# Altium PCB AMDC_uAMDC_Overlay.PcbDoc (part 5 of 6) (continued)
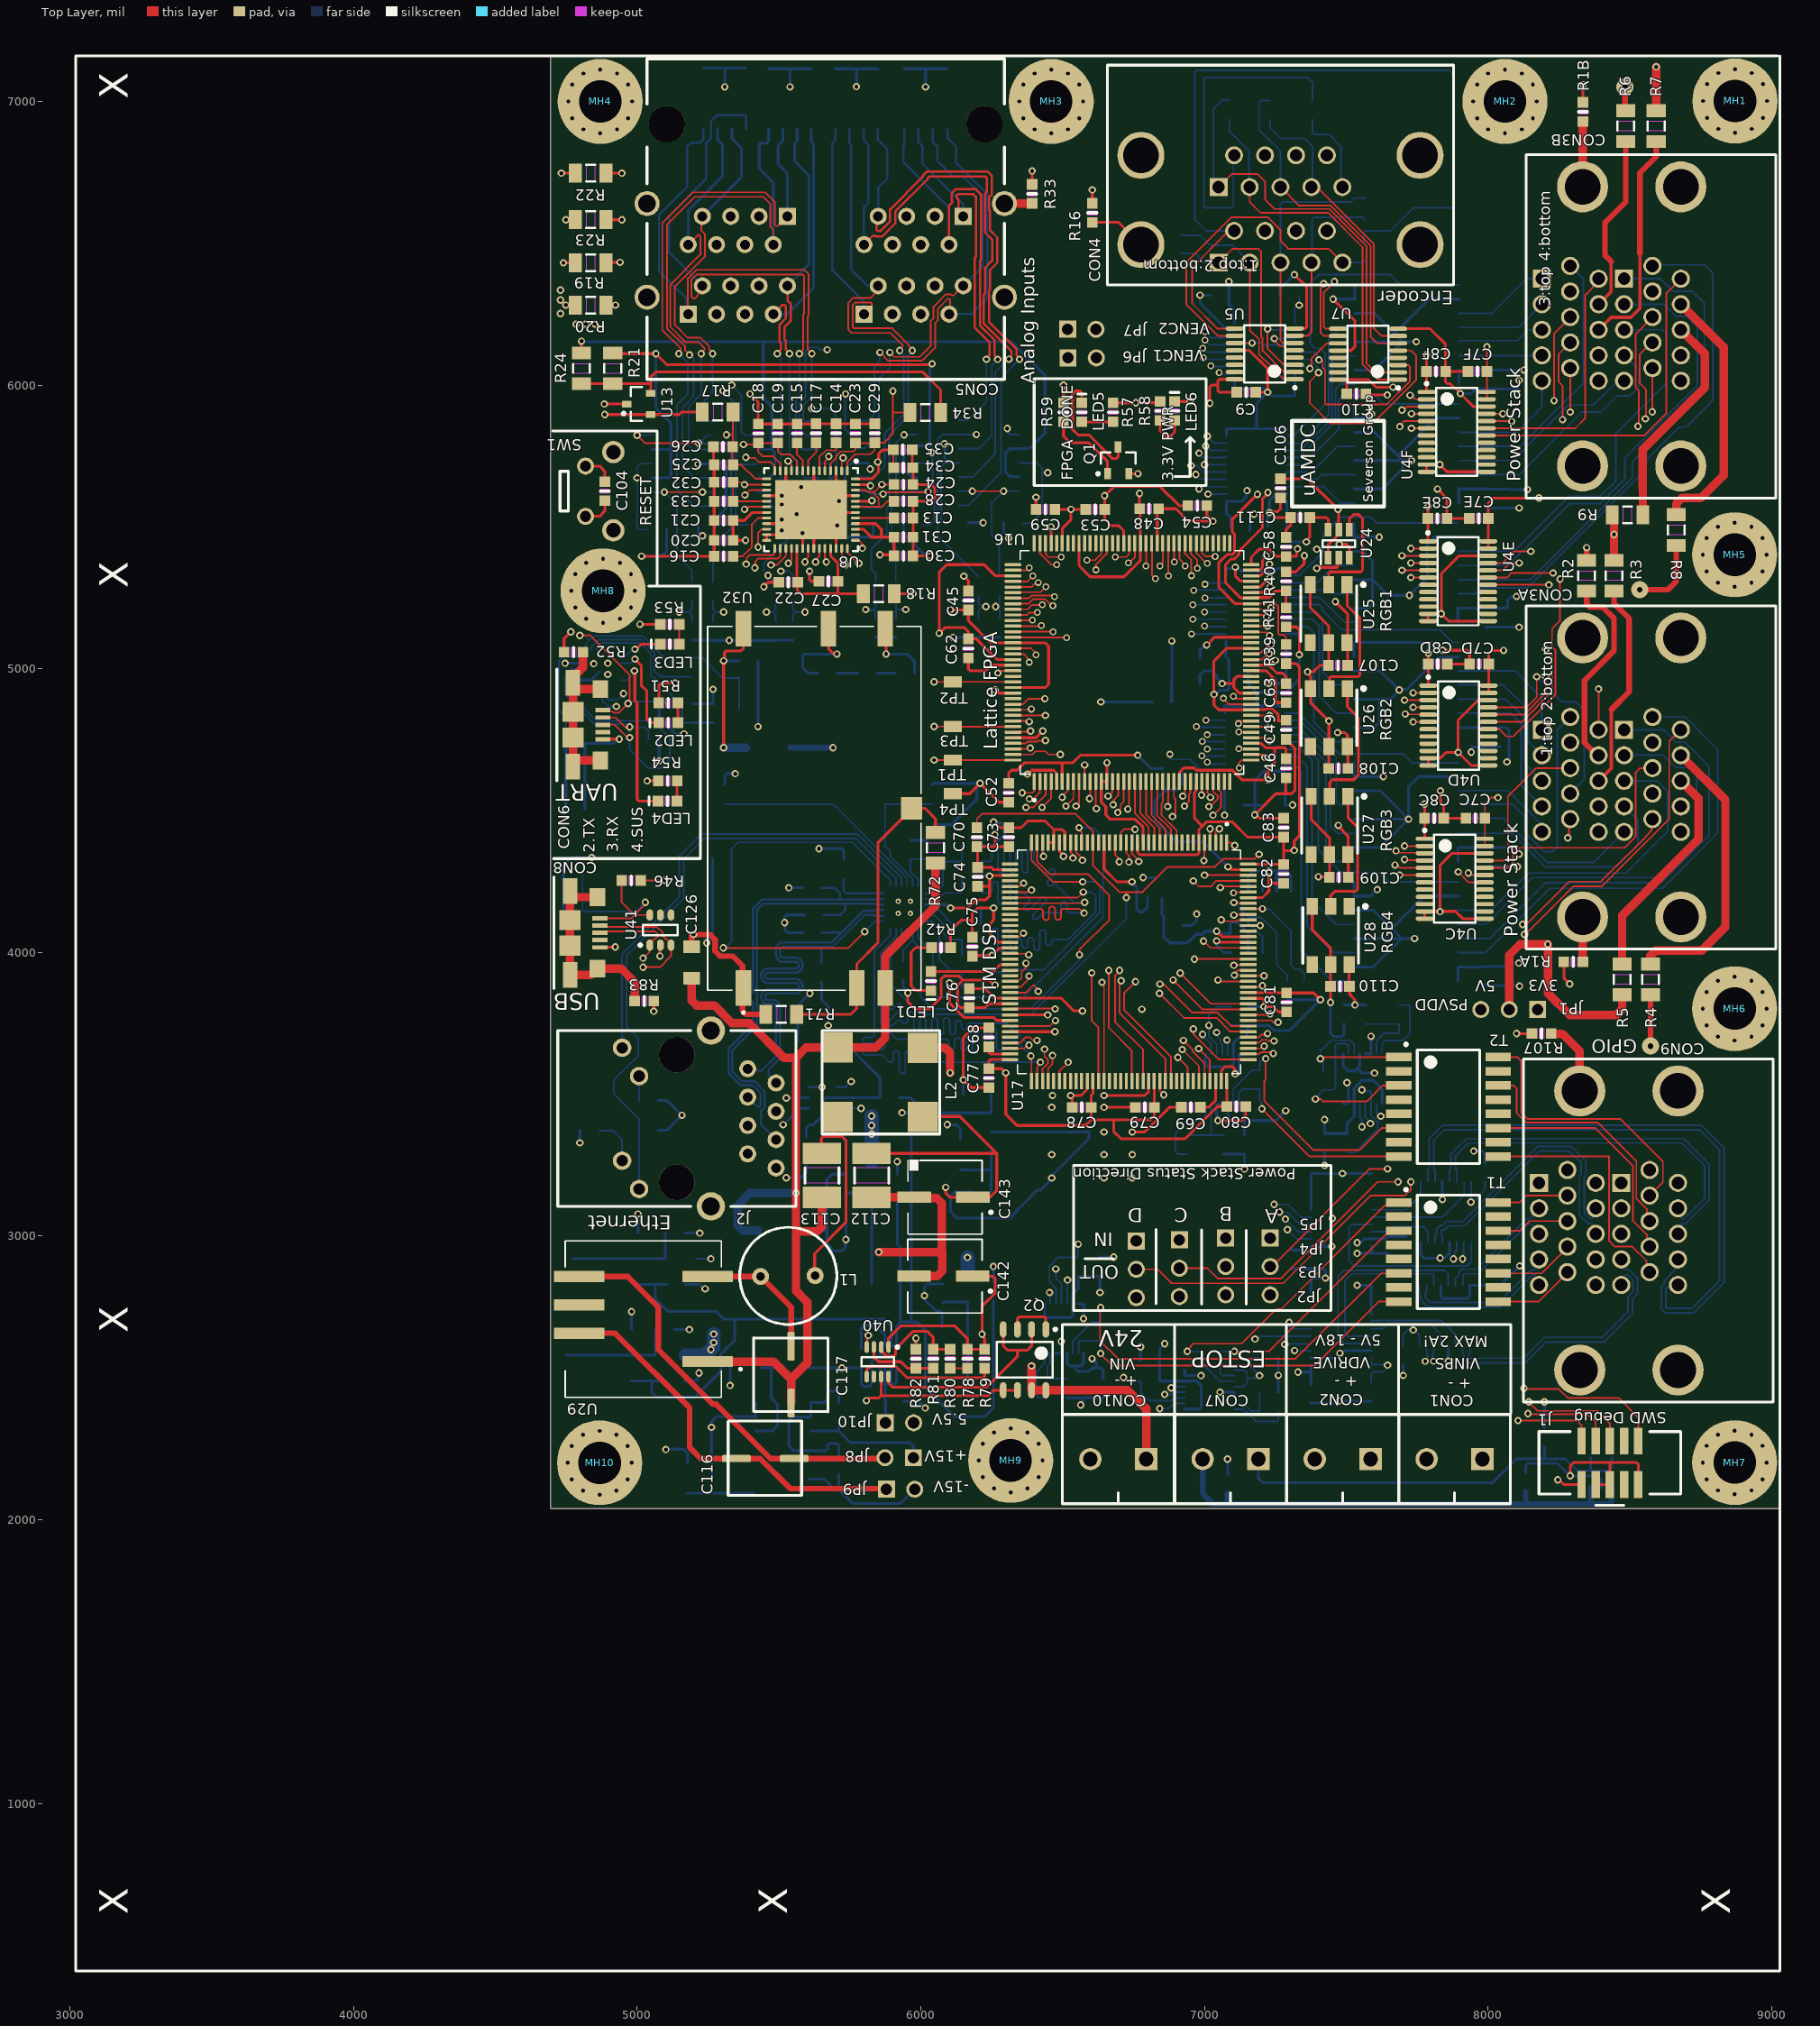
[diagram p0: Top Layer view]
## Nets (pads, with @x,y where several pads share a name; then routed paths per layer and width w, separated by ;. In a path a pad name is that pad's centre, name@x,y a point inside that pad or via, vN(x,y) a via of type N, cw(c..) or ccw(c..) an arc to the next point about the centre after c; other vN are vias at no path point) (continued)
NetC101_2: C101.2 C102.2 C103.2 U21.6 | length 606.9
  Bottom Layer w6: C101.2@4748.79,4737.22 4748.79,4829.22 4724.23,4853.79 4724.23,5028.43 4737.11,5041.31 4789.06,5041.31 U21.6@4791.37,5039
  Bottom Layer w10: C103.2@4748.66,4505 C102.2@4748.66,4627 ; C102.2@4748.79,4627.13 C101.2@4748.79,4737.22
NetC112_2: C112.2 C143.1 L2.1 Q2.5 Q2.6 U40.7 | length 2718.4
  Top Layer w10: v2(5808.28,2420.03) 5817.53,2429.27 5852.25,2429.27 5860.82,2437.83 ; C112.2@5827,3291.48 6268.06,3291.48 ; U40.7@5860.8,2504.83 5860.82,2437.83 ; L2.1@6007,3419.91 6009.09,3422 6137.54,3422 6268.06,3291.48 ; v2(6088,3171.75) 6088,3151.66 6102.66,3137 C143.1@6184,3137 6244.63,3137 6268.06,3160.43 6268.06,3291.48 ; Q2.6@6341,2456.72 Q2.5@6291,2456.72 6256.79,2456.72 6237.91,2437.83 5860.82,2437.83
  Int2 (Sign) w10: v2(5808.28,2420.03) 5804.97,2420.03 5777,2448 5777,2932.62 5851.46,3007.08 6029.08,3007.08 6088,3066 v2(6088,3171.75)
NetC113_2: C113.2 L1.1 L2.4 | length 748.2
  Top Layer w10: L1.1@5628,2861 5626,2863 5626,2938 5736,3048 5736,3338 5723,3351 5689.43,3351 ; C113.2@5652,3291.48 5650,3293.48 5650,3345.14 5655.86,3351 5689.43,3351 ; L2.4@5707.79,3419.91 5689.43,3401.55 5689.43,3351
NetC116_1: C116.1 JP8.2 U29.5 | length 1433.1
  Top Layer w20: U29.5@4795.62,2858 4967,2858 5075,2750 5075,2600.48 5267.24,2408.24 5278.53,2408.24 5470.77,2216 C116.1@5554,2216 5871,2216 JP8.2@5874,2219
NetC116_2: C116.2 JP9.1 U29.7 | length 1393.2
  Top Layer w20: U29.7@4795.62,2658 4922,2658 5185,2395 5185,2255 5224,2216 C116.2@5350,2216 5434,2216 5540,2110 5877,2110 JP9.1@5879,2108
NetC125_1: C125.1 R66.2 U31.1 U31.2 | length 253.2
  Bottom Layer w10: R66.2@6140,3235.87 6142.87,3233 U31.1@6248,3233 ; C125.1@6248,3156 U31.1@6248,3233 ; U31.2@6248,3300 U31.1@6248,3233
NetC129_1: C129.1 R67.2 U33.2 U33.4 | length 417
  Bottom Layer w10: U33.4@4772.84,2920 U33.2@5003.16,2920 R67.2@5099.33,2920 C129.1@5099.33,3010.55
NetC130_2: C130.2 C137.1 U34.6 U34.7 U38.5 | length 623.8
  Bottom Layer w10: C137.1@5711,2227.46 5711,2262.55 5705.14,2268.41 5676.7,2268.41 5670.84,2262.55 5670.84,2249.86 5664.99,2244 U38.5@5606.24,2244 5551,2244 5534.13,2260.87 5534.13,2347.25 5549.87,2363 U34.7@5612.24,2363 U34.6@5612.24,2413 5613.28,2414.04 5660.17,2414.04 5670.84,2424.72 5670.84,2447.28 5676.7,2453.14 5705.14,2453.14 5711,2447.28 C130.2@5711,2414.46
NetC131_1: C131.1 R73.2 U34.1 | length 370.3
  Bottom Layer w10: U34.1@5417.76,2313 5475,2313 5495,2333 5495,2407 5472.33,2429.67 5472.33,2536 ; R73.2@5436.13,2536 5472.33,2536 ; C131.1@5508.54,2536 5472.33,2536
NetC134_1: C134.1 R75.2 U35.2 U35.4 | length 413.9
  Bottom Layer w10: C134.1@5736.18,3151.66 5823.78,3151.66 R75.2@5826.73,3154.61 U35.2@5826.73,3062.79 U35.4@5826.73,2832.47
NetC135_1: C135.1 R74.2 U36.2 U36.4 | length 404.3
  Bottom Layer w10: U36.4@4750,2580 U36.2@4980.31,2580 R74.2@5063.74,2580 C135.1@5063.74,2670.55
NetC138_2: C138.2 R77.2 U38.1 | length 234.1
  Bottom Layer w10: R77.2@5178,2093.87 5178.33,2093.54 C138.2@5264,2093.54 5264.46,2094 U38.1@5411.76,2094
NetC139_1: C139.1 R76.2 U37.2 U37.4 | length 408
  Bottom Layer w10: C139.1@6078,2764.54 6080.99,2767.53 R76.2@6165.73,2767.53 U37.2@6165.73,2678.79 U37.4@6165.73,2448.47
NetC141_2: C141.2 U39.6 | length 213.1
  Bottom Layer w10: C141.2@5791,2602.46 5791,2677 5800,2686 5839.16,2686 5875.16,2650 U39.6@5875.16,2614.2
NetC144_1: C144.1 C145.1 C146.1 CON8.1 R46.2 U41.6 | length 747.5
  Top Layer w6: CON8.1@4868.86,4120.17 4979.02,4120.17 4991,4132.15 ; R46.2@4945.55,4254 4945,4253.45 4945,4178.15 4991,4132.15 ; v2(5029,4177) 5029,4170.15 4991,4132.15 ; U41.6@5044.6,4132.15 4991,4132.15
  Bottom Layer w6: C144.1@4809.46,4273 4807.59,4271.13 4807.59,4144.13 C146.1@4807.46,4144 4996,4144 v2(5029,4177)
NetC147_2: C147.2 C148.2 E1.2 J2.4 J2.5 R84.2 R85.2 R86.2 R90.2 U42.5 | length 3198.4
  Int2 (Sign) w10: J2.5@5390,3390 5398.53,3398.53 5448.53,3398.53 J2.4@5490,3440
  Int3 (Sign) w10: J2.5@5390,3390 5311,3390 5240,3461 5240,3644.65 5175,3709.65 5175,4129 5274,4228 v1(5535,4228) ; v1(5520,4105) 5520,4208.67 5535,4223.67 v1(5535,4228) ; v2(5673.54,3742) 5673.54,3743.54 5675,3745 5673.54,3746.46 5673.54,4089.46 v1(5535,4228)
  Bottom Layer w10: v1(5535,4228) R86.2@5583.54,4228 ; R90.2@5583.54,4070 5531.72,4070 5520,4081.72 v1(5520,4105) 5520,4126.46 5525.86,4132.31 R84.2@5591.41,4132.31 ; C148.2@5596.54,3348.88 5596.54,3381.54 5607.89,3392.89 5621.62,3392.89 5652.81,3424.08 5652.81,3475 5665.81,3488 U42.5@5703.21,3488 C147.2@5856.54,3488 5856.54,3558.46 5730,3685 E1.2@5673.54,3685 v2(5673.54,3742) 5673.54,3809.42 5650.46,3832.5 R85.2@5650.46,3896.03
NetC151_2: C151.2 C153.2 U43.6 | length 167.3
  Bottom Layer w6: U43.6@5991.21,4233.8 5991.21,4257.66 5963.65,4285.22 C151.2@5963.65,4328.69 C153.2@6024.68,4328.69
NetC152_1: C152.1 U43.4 X2.2 | length 779.7
  Bottom Layer w6: C152.1@5309,4524.54 5310.54,4523 X2.2@5499.99,4523 5690.68,4523 5951.84,4261.84 U43.4@5951.84,4233.8
NetC158_1: C158.1 U43.5 X2.1 | length 495.2
  Bottom Layer w6: U43.5@5971.53,4233.8 5971.53,4259.13 5892.79,4337.87 5892.79,4354.28 5874.01,4373.06 X2.1@5874.01,4523 6037.46,4523 C158.1@6039,4524.54
NetCON3A_12A: CON3A.12A R2.1 | length 712.3
  Top Layer w20: R2.1@8348,5273.87 8348,5229.72 8359.72,5218 8404,5218 8444.54,5177.46 8444.54,5063.02 8340,4958.48 8340,4739 8384,4695 CON3A.12A@8390,4695
NetCON3A_12B: CON3A.12B R4.1 | length 1005.6
  Top Layer w30: R4.1@8573,3958.88 8573,3988.43 8590.57,4006 8753,4006 8837,4090 8837,4538 CON3A.12B@8680,4695
NetCON3A_13A: CON3A.13A R3.1 | length 735.7
  Top Layer w12: CON3A.13A@8390,4605 8435,4650 8435,4856
  Top Layer w20: 8435,4856 8498,4919 8498,5177.46 8444.54,5230.91 R3.1@8444.54,5273.87
NetCON3A_13B: CON3A.13B R5.1 | length 783.2
  Top Layer w30: R5.1@8473,3958.88 8473,4130 8742,4399 8742,4543 CON3A.13B@8680,4605
NetCON3B_12A: CON3B.12A R6.1 | length 631
  Top Layer w12: CON3B.12A@8390,6285 8434,6329 8434,6436
  Top Layer w20: 8434,6436 8413,6457 8413,6573 8486,6646 R6.1@8486,6858.87
NetCON3B_12B: CON3B.12B R8.1 | length 912.8
  Top Layer w30: R8.1@8664,5543.13 8664,5582 8684,5602 8751,5602 8831,5682 8831,6134 CON3B.12B@8680,6285
NetCON3B_13A: CON3B.13A R7.1 | length 789
  Top Layer w12: CON3B.13A@8390,6195 8434,6239 8504,6239 8536,6271 8536,6464
  Top Layer w20: 8536,6464 8536,6748 8593,6805 R7.1@8593,6858.87
NetCON3B_13B: CON3B.13B R9.1 | length 777.8
  Top Layer w30: R9.1@8546.13,5543.13 8546.13,5635.87 8546,5636 8546,5773 8765,5992 8765,6110 CON3B.13B@8680,6195
NetCON7_1: CON7.1 R60.2 U23.4 U23.6 | length 1503.9
  Bottom Layer w10: CON7.1@7190.85,2214 7190.85,2146.15 7206,2131 8016,2131 8100,2215 8199,2215 ; R60.2@8199,2257.54 8199,2215 ; U23.4@8361.6,2220.15 8361.6,2172 ; U23.6@8436.4,2220.15 8436.4,2184.27 8424.13,2172 8361.6,2172 ; 8199,2215 8272.69,2215 8315.69,2172 8361.6,2172
NetJ2_9: J2.9 U43.3 | length 1667.6
  Bottom Layer w6: J2.9@4947,3664 4947,3994 5149,4196 5149,4341 5225,4417 5777,4417 5932.16,4261.84 U43.3@5932.16,4233.8
NetJ2_10: J2.10 R99.2 | length 86.8
  Bottom Layer w6: R99.2@5007,3477.54 R99.2@5006.54,3478 5007,3478.46 J2.10@5007,3564
NetJ2_11: J2.11 R102.2 | length 168.4
  Bottom Layer w6: R102.2@4866.46,3372 4916,3372 4947,3341 J2.11@4947,3266
NetJ2_12: J2.12 R100.2 U43.2 | length 2200.5
  Bottom Layer w6: J2.12@5007,3166 5007,3372.54 R100.2@5006.54,3373 5006.54,3413.47 4918,3502 4918,3550 5004,3636 5004,3698 4962,3740 4962,3987 5164,4189 5164,4330 5235,4401 5772.25,4401 5912.47,4260.78 U43.2@5912.47,4233.8
NetLED1_C: LED1.C R42.1 | length 275
  Top Layer w10: LED1.C@6036,3865.54 5982.46,3865.54 5966,3882 5966,4001 5982,4017 R42.1@6038.54,4017
NetLED2_A: LED2.A R51.1 | length 70
  Top Layer w10: LED2.A@5143.34,4809.75 R51.1@5143.34,4879.75
NetLED2_C: LED2.C U21.14 | length 332
  Top Layer w10: v1(4992.5,5034) 5014.58,5011.92 5014.58,4941.36 5034.45,4921.48 5034.45,4822.02 5046.72,4809.75 LED2.C@5076.41,4809.75
  Bottom Layer w6: U21.14@4942.94,5019.31 4976.07,5019.31 4990.76,5034 v1(4992.5,5034)
NetLED3_A: LED3.A R53.1 | length 70
  Top Layer w6: LED3.A@5148.46,5086.75 R53.1@5148.46,5156.75
NetLED3_C: LED3.C U21.13 | length 159.9
  Top Layer w10: v2(4992.5,5069) 4996.83,5069 5014.58,5086.75 LED3.C@5081.54,5086.75
  Bottom Layer w6: U21.13@4942.94,5039 4953.77,5039 4985.65,5070.88 4987.53,5069 v2(4992.5,5069)
NetLED4_A: LED4.A R54.1 | length 71.4
  Top Layer w10: LED4.A@5140.46,4533.75 5140.46,4603.75 R54.1@5141.46,4604.75
NetLED4_C: LED4.C U21.17 | length 598.1
  Top Layer w10: v1(4990.58,4992.67) 4992,4991.25 4992,4887.8 5000,4879.8 5000,4539.61 5005.86,4533.75 LED4.C@5073.54,4533.75
  Bottom Layer w6: U21.17@4942.94,4960.26 4965.26,4960.26 4990.58,4985.58 v1(4990.58,4992.67)
NetLED5_A: LED5.A R57.2 | length 110
  Top Layer w10: LED5.A@6568,5870.54 R57.2@6678,5870.54
NetLED5_C: LED5.C Q1.3 | length 441.5
  Top Layer w10: LED5.C@6568,5937.46 6568,5973.14 6562.14,5979 6545,5979 6535,5969 6535,5844 6555,5824 6594,5824 6677,5741 6690.14,5741 6696,5746.86 Q1.3@6696,5782
NetLED6_A: LED6.A R58.2 | length 141.5
  Top Layer w10: R58.2@6843.87,5875.53 6843.87,5839.87 6862.59,5821.16 6882.42,5821.16 6894.88,5833.61 LED6.A@6894.88,5875.53
NetQ1_1: Q1.1 R59.1 | length 285.6
  Top Layer w10: R59.1@6503.25,5870.54 6503.25,5820.43 6526.69,5797 6592,5797 6658.6,5730.4 Q1.1@6658.6,5687.51
NetQ2_1: Q2.1 Q2.3 | length 182.6
  Top Layer w10: Q2.3@6341,2671.28 6341,2710.14 6346.86,2716 6435.14,2716 6441,2710.14 Q2.1@6441,2671.28
NetQ2_2: Q2.2 Q2.4 U40.8 | length 779.2
  Top Layer w10: U40.8@5886.39,2504.83 5887.38,2503.84 5887.38,2480.69 5900.07,2468 6233.13,2468 6341,2575.87 6341,2598 ; Q2.4@6291,2671.28 6291,2613 6306,2598 6341,2598 ; Q2.2@6391,2671.28 6391,2613 6376,2598 6341,2598
NetR21_1: R21.1 R24.1 R34.1 U13.2 | length 1435.7
  Top Layer w10: R24.1@4804,6004.87 R21.1@4914,6004.87 5047.88,6004.87 ; U13.2@5047.88,5970.84 5047.88,6004.87 ; R34.1@6070.13,5904 6070.13,5982.87 6007,6046 5066,6046 5047.88,6027.88 5047.88,6004.87
NetR43_2: R43.2 U17.143 | length 648
  Top Layer w10: v2(7083.21,4301.72) 7087.54,4301.72 7097.54,4291.72 U17.143@7154.87,4291.72
  Bottom Layer w10: R43.2@6920.34,4647.75 6920.34,4592.45 6901.65,4573.76 6865,4573.76 6825,4533.76 6825,4466.65 6901.65,4390 6994.94,4390 7081.43,4303.51 7085,4303.51 v2(7083.21,4301.72)
NetR48A_1: R48A.1 R49A.2 U20A.15 | length 165.1
  Bottom Layer w6: U20A.15@7106,2410.26 7106.77,2409.49 7138.08,2409.49 7163.73,2383.84 R48A.1@7194.41,2383.84 R49A.2@7194.41,2449.63
NetR48A_2: R48A.2 U20A.16 | length 207.1
  Bottom Layer w6: U20A.16@7106,2390.57 7106.77,2389.81 7138.31,2389.81 7181.12,2347 7256,2347 7261.34,2352.34 R48A.2@7261.34,2383.84
NetR48B_1: R48B.1 R49B.2 U20B.15 | length 162
  Bottom Layer w6: U20B.15@6456.79,2586.4 6456.79,2552 6447,2542.21 R48B.1@6447,2497.34 R49B.2@6515.84,2497.34
NetR48B_2: R48B.2 U20B.16 | length 202.7
  Bottom Layer w6: U20B.16@6437.1,2586.4 6437.1,2552 6414.1,2529 6408,2522.9 6408,2437.83 6415.43,2430.41 R48B.2@6447,2430.41
NetR48C_1: R48C.1 R49C.2 U20C.15 | length 287
  Bottom Layer w6: R49C.2@7567.84,3747.53 R48C.1@7687,3747.53 7687,3718.51 7683.49,3715 7632,3715 7607.21,3690.21 U20C.15@7607.21,3642.87
NetR48C_2: R48C.2 U20C.16 | length 283.9
  Bottom Layer w6: U20C.16@7626.9,3642.87 7626.9,3678.4 7638.71,3690.21 7702.21,3690.21 7724,3712 7724,3810.94 7720.49,3814.46 R48C.2@7687,3814.46
NetR48D_1: R48D.1 R49D.2 U20D.15 | length 232.2
  Bottom Layer w6: R48D.1@6942,3356.34 7023.79,3356.34 ; U20D.15@7023.79,3464.4 7023.79,3356.34 ; R49D.2@7066.16,3356.34 7023.79,3356.34
NetR48D_2: R48D.2 U20D.16 | length 284.7
  Bottom Layer w6: R48D.2@6942,3289.41 6906.59,3289.41 6898.49,3297.51 6898.49,3362.95 6945.9,3410.37 6992.29,3410.37 7004.1,3422.18 U20D.16@7004.1,3464.4
NetR50_1: R50.1 U21.8 | length 468.7
  Bottom Layer w6: U21.8@4837.63,5065.57 4838.88,5066.83 4838.88,5077.66 4864.23,5103 5015,5103 5061,5057 5061,4993 5081.93,4972.07 R50.1@5192.75,4972.07
NetR55_2: R55.2 R56.2 U21.9 | length 618.8
  Bottom Layer w6: U21.9@4857.31,5065.57 4857.31,5076.4 4871.91,5091 5010.03,5091 5047.66,5053.37 5047.66,4979.94 5077.61,4950 5158,4869.61 5158,4815.52 5163.86,4809.66 R55.2@5198,4809.66
  Bottom Layer w10: R55.2@5198,4809.66 R56.2@5268,4809.66
NetR68_1: R68.1 U32.5 | length 335.8
  Top Layer w10: U32.5@5674.69,5141.46 5675.12,5141.04 5675.12,5069.33 5689.39,5055.06 5701.4,5055.06 v2(5704.46,5052)
  Bottom Layer w10: R68.1@5637.54,4985 5602,4985 5584.03,5002.97 5584.03,5046.14 5589.89,5052 v2(5704.46,5052)
NetR68_2: R68.2 R69.1 | length 74.7
  Bottom Layer w10: R68.2@5704.46,4985 R69.1@5779.2,4985
NetR69_2: R69.2 R70.2 | length 65.4
  Bottom Layer w10: R69.2@5846.13,4985 R70.2@5911.54,4985
NetR71_1: R71.1 R72.1 U32.2 U32.7 | length 1153.3
  Top Layer w10: R71.1@5562.13,3782 5753.46,3782 5773.86,3802.4 5773.86,3873.71 U32.2@5774.69,3874.54 5774.69,3959.69 5849,4034 5849,4387.03 5968,4506.03 U32.7@5968,4508 6014.82,4508 6052,4470.82 R72.1@6052,4423.13
NetR78_2: R78.2 R80.2 | length 61
  Top Layer w6: R80.2@6104,2534.54 R78.2@6165,2534.54
NetR79_2: R79.2 U40.5 | length 493.1
  Top Layer w10: U40.5@5809.61,2504.83 5809.8,2505.02 5809.8,2529.8 5821.25,2541.25 5911.17,2541.25 5951.41,2501.01 6221.49,2501.01 6225,2504.52 R79.2@6225,2534.54
NetR80_1: R80.1 R81.2 U40.2 | length 362.1
  Top Layer w10: U40.2@5860.8,2609.17 5860.8,2595.27 5878.57,2577.5 5905.31,2577.5 5911.17,2583.35 5911.17,2602.26 5973.06,2664.16 6023.53,2664.16 6044,2643.68 R81.2@6044,2601.46 R80.1@6104,2601.46
NetR81_1: R81.1 R82.1 U40.3 | length 260.6
  Top Layer w10: U40.3@5835.2,2609.17 5835.2,2573.51 5851.46,2557.25 5929.73,2557.25 5952.45,2534.54 R82.1@5983,2534.54 R81.1@6044,2534.54
NetR87_2: R87.2 R91.1 U43.7 | length 271.6
  Bottom Layer w6: U43.7@6016.8,4208.21 6049.88,4208.21 6078,4236.33 6078,4306.75 6092,4320.75 R91.1@6144.54,4320.75 R87.2@6144.54,4376.75
NetR88_2: R88.2 R92.1 U43.8 | length 195.2
  Bottom Layer w6: U43.8@6016.8,4188.53 6060.53,4188.53 6082,4210 R92.1@6145.66,4210 6144.54,4211.13 R88.2@6144.54,4267
NetR89_2: R89.2 R95.2 U43.11 | length 238.3
  Bottom Layer w6: U43.11@6016.8,4129.47 6049.88,4129.47 6077.35,4102 6077.35,4069.66 6101.01,4046 R95.2@6144.54,4046 R89.2@6144.54,3989
NetR93_1: R93.1 U43.10 | length 147.3
  Bottom Layer w6: U43.10@6016.8,4149.16 6062.69,4149.16 6109.85,4102 R93.1@6144.54,4102
NetR94_2: R94.2 U43.24 | length 185.2
  Bottom Layer w8: R94.2@5728,4260.54 5728,4219 5738.79,4208.21 U43.24@5867.2,4208.21
NetR96_1: R96.1 R97.2 U43.12 | length 321.5
  Bottom Layer w6: U43.12@6016.8,4109.79 6039.86,4109.79 6065.35,4084.29 6065.35,3976.5 6109.85,3932 R97.2@6144.54,3932 R96.1@6144.54,3875
NetR98_1: R98.1 R101.2 U43.14 | length 211.9
  Bottom Layer w6: R98.1@5938.63,3969.46 5938.63,4009.17 5971.53,4042.07 ; U43.14@5971.53,4084.2 5971.53,4042.07 ; R101.2@5998,3969.46 5998,4015.6 5971.53,4042.07
NetU1A_1: U1A.1 U2A.21 | length 263.7
  Bottom Layer w6: U2A.21@7290.3,5642.02 7422.15,5642.02 7480.17,5584 U1A.1@7530,5584
NetU1A_3: U1A.3 U2A.20 | length 246.5
  Bottom Layer w6: U2A.20@7290.3,5667.61 7395.27,5667.61 7411.65,5684 U1A.3@7530,5684
NetU1A_5: U1A.5 U2A.19 | length 277.3
  Bottom Layer w6: U2A.19@7290.3,5693.2 7377.2,5693.2 7468,5784 U1A.5@7530,5784
NetU1A_9: U1A.9 U2A.18 | length 782.1
  Bottom Layer w6: U2A.18@7290.3,5718.8 7346.8,5718.8 7474,5846 7474,5951 7487,5964 7600.62,5964 7630.62,5934 U1A.9@7896.93,5934
NetU1B_1: U1B.1 U2B.21 | length 592
  Bottom Layer w6: U2B.21@7288.3,5149.02 7363.37,5149.02 7385.96,5126.43 7385.96,4812.04 7455,4743 U1B.1@7528,4743
NetU1B_3: U1B.3 U2B.20 | length 521.7
  Bottom Layer w6: U2B.20@7288.3,5174.61 7381.85,5174.61 7404.6,5151.87 7404.6,4955.47 7405,4955.07 7405,4904.51 7466.51,4843 U1B.3@7528,4843
NetU1B_5: U1B.5 U2B.19 | length 455.6
  Bottom Layer w6: U2B.19@7288.3,5200.2 7392.47,5200.2 7416.71,5175.97 7416.71,4989.29 7463,4943 U1B.5@7528,4943
NetU1B_9: U1B.9 U2B.18 | length 667.1
  Bottom Layer w6: U2B.18@7288.3,5225.8 7404.6,5225.8 7416.71,5213.69 7416.71,5204.29 7483,5138 7829.74,5138 7874.74,5093 U1B.9@7894.93,5093
NetU1C_1: U1C.1 U2C.21 | length 930.4
  Bottom Layer w6: U2C.21@7284,4664.87 7285.87,4663 7317.11,4663 7340.97,4639.14 7340.97,4009.03 7448.02,3901.98 7451,3899 U1C.1@7528.07,3899
NetU1C_3: U1C.3 U2C.20 | length 860.1
  Bottom Layer w6: U2C.20@7284,4690.46 7328.29,4690.46 7362,4656.74 7362,4094 7455.02,4000.98 7457,3999 U1C.3@7528.07,3999
NetU1C_5: U1C.5 U2C.19 | length 789
  Bottom Layer w6: U2C.19@7284,4716.05 7340.97,4716.05 7380,4677.02 7380,4183.12 7464.12,4099 U1C.5@7528.07,4099
NetU1C_9: U1C.9 U2C.18 | length 999.1
  Bottom Layer w6: U2C.18@7284,4741.64 7335.53,4741.64 7402,4675.16 7402,4361 7480,4283 7619,4283 7653,4249 U1C.9@7895,4249
NetU2A_14: U2A.14 U3A.9 | length 1194.8
  Bottom Layer w6: U2A.14@7290.3,5821.16 7315.02,5821.16 7426,5932.14 7426,6112.48 7408.69,6129.8 7389.87,6129.8 7373.45,6146.21 7373.45,6361 7402,6389.55 7654.79,6389.55 7691.35,6353 U3A.9@7897.93,6353
NetU2A_15: U2A.15 U3A.5 | length 568.1
  Bottom Layer w6: U2A.15@7290.3,5795.57 7338.57,5795.57 7438,5895 7438,6163 7480,6205 7529,6205 U3A.5@7531,6203
NetU2A_16: U2A.16 U3A.3 | length 506.1
  Bottom Layer w6: U2A.16@7290.3,5769.98 7338.57,5769.98 7450,5881.41 7450,6099 7454,6103 U3A.3@7531,6103
NetU2A_17: U2A.17 U3A.1 | length 414.6
  Bottom Layer w6: U2A.17@7290.3,5744.39 7333.39,5744.39 7462,5873 7462,5987 7478,6003 U3A.1@7531,6003
NetU2B_14: U2B.14 U3B.9 | length 735.8
  Bottom Layer w6: U2B.14@7288.3,5328.16 7335.16,5328.16 7420,5413 7420,5474.33 7480.48,5534.81 7585.19,5534.81 7606,5514 U3B.9@7893.93,5514
NetU2B_15: U2B.15 U3B.5 | length 264.1
  Bottom Layer w6: U2B.15@7288.3,5302.57 7396.57,5302.57 7458,5364 U3B.5@7527,5364
NetU2B_16: U2B.16 U3B.3 | length 244.1
  Bottom Layer w6: U2B.16@7288.3,5276.98 7449.02,5276.98 7462,5264 U3B.3@7527,5264
NetU2B_17: U2B.17 U3B.1 | length 274.9
  Bottom Layer w6: U2B.17@7288.3,5251.39 7408.12,5251.39 7495.5,5164 U3B.1@7527,5164
NetU2C_14: U2C.14 U3C.9 | length 684.5
  Bottom Layer w6: U2C.14@7284,4844 7332,4844 7381.85,4794.15 7476,4700 7701,4700 7732.87,4668.13 7893.06,4668.13 U3C.9@7894.93,4670
NetU2C_15: U2C.15 U3C.5 | length 460.1
  Bottom Layer w6: U2C.15@7284,4818.41 7335.53,4818.41 7464.69,4689.24 7464.69,4531.31 7476,4520 U3C.5@7528,4520
NetU2C_16: U2C.16 U3C.3 | length 537.3
  Bottom Layer w6: U2C.16@7284,4792.82 7333.18,4792.82 7444,4682 7444,4445 7469,4420 U3C.3@7528,4420
NetU2C_17: U2C.17 U3C.1 | length 613.2
  Bottom Layer w6: U2C.17@7284,4767.23 7333.77,4767.23 7429,4672 7429,4358 7465.02,4321.98 7467,4320 U3C.1@7528,4320
NetU4A_7: U4A.7
NetU4A_8: U4A.8
NetU4A_9: U4A.9
NetU4A_10: U4A.10
NetU4B_14: U4B.14
NetU4B_15: U4B.15
NetU4B_16: U4B.16
NetU4B_17: U4B.17
NetU4C_7: U4C.7
NetU4C_8: U4C.8
NetU4C_9: U4C.9
NetU4C_10: U4C.10
NetU4C_14: U4C.14
NetU4C_15: U4C.15
NetU4C_16: U4C.16
NetU4C_17: U4C.17
NetU4D_7: U4D.7
NetU4D_8: U4D.8
NetU4D_9: U4D.9
NetU4D_10: U4D.10
NetU4D_14: U4D.14
NetU4D_15: U4D.15
NetU4D_16: U4D.16
NetU4D_17: U4D.17
NetU4E_7: U4E.7
NetU4E_8: U4E.8
NetU4E_9: U4E.9
NetU4E_10: U4E.10
NetU4E_14: U4E.14
NetU4E_15: U4E.15
NetU4E_16: U4E.16
NetU4E_17: U4E.17
NetU4F_7: U4F.7
NetU4F_8: U4F.8
NetU4F_9: U4F.9
NetU4F_10: U4F.10
NetU4F_14: U4F.14
NetU4F_15: U4F.15
NetU4F_16: U4F.16
NetU4F_17: U4F.17
NetU24_4: U24.4 U25.2 | length 441.8
  Top Layer w10: U25.2@7438.38,5296.42 7438.38,5335.57 7444.24,5341.42 7551.74,5341.42 7557.66,5347.34 7557.66,5529.74 7544.14,5543.26 7526.19,5543.26 7511.19,5528.26 U24.4@7511.19,5490.47
NetU25_1: U25.1 U26.2 | length 486.8
  Top Layer w10: U26.2@7439.38,4930.42 7442.13,4933.16 7442.13,4969.09 7445.24,4972.2 7542.52,4972.2 7548.38,4978.05 7548.38,5178.05 7503.34,5223.09 U25.1@7503.34,5296.42
NetU26_1: U26.1 U27.2 | length 482
  Top Layer w10: U27.2@7442.38,4550.42 7442.38,4600.05 7451.38,4609.05 7526.52,4609.05 7543.38,4625.91 7543.38,4827.05 7504.34,4866.09 U26.1@7504.34,4930.42
NetU27_1: U27.1 U28.2 | length 483.8
  Top Layer w10: U28.2@7445.38,4162.42 7445.9,4162.93 7445.9,4201.09 7460.81,4216 7533.95,4216 7539.81,4221.86 7539.81,4442.13 7506.34,4475.59 U27.1@7506.34,4550.42
NRST: C70.1 J1.10 U17.25 U43.15 | length 5483.7
  Top Layer w6: C70.1@6198.05,4439.71 6198.05,4470.82 6216.56,4489.33 6545.01,4489.33 6606.83,4427.51 U17.25@6606.83,4387 6606.83,4306.89 6700.74,4212.98 6724.94,4212.98 ; v2(6724.94,4193.3) 6724.94,4212.98 ; v1(7193,4346) 7176.52,4329.52 7065.74,4329.52 7037.94,4301.72 6870.48,4301.72 6781.74,4212.98 6724.94,4212.98 ; v2(8126.95,2463.83) 8129.78,2461 8250.54,2461 8282.54,2429 8462,2429 8530,2361 J1.10@8530,2277.77
  Int3 (Sign) w6: v1(7193,4346) 7193,4205.11 7471.98,3926.13 7609.87,3926.13 7794,3742 7794,2796.78 v2(8126.95,2463.83)
  Bottom Layer w6: U43.15@5951.84,4084.2 5951.84,4050.67 5893,3991.83 5893,3886.92 5997.92,3782 6388.71,3782 6724.94,4118.24 v2(6724.94,4193.3)
OUT1: U4B.3 U17.75 | length 1342.1
  Top Layer w6: U17.75@6429.67,3546.84 6429.67,3589.71 6448.7,3608.74 6448.7,3621.78 6436.56,3633.92 v2(6436.56,3658.95)
  Int2 (Sign) w6: v2(6436.56,3658.95) 6655.75,3658.95 7291.7,3023 v2(7293,3023)
  Bottom Layer w6: v2(7293,3023) 7325.57,2990.43 U4B.3@7376.7,2990.43
OUT1A: U5.3 U6.3 | length 312.4
  Top Layer w6: v2(7223,6198) 7223,6128.91 7280.3,6071.61 U5.3@7319.3,6071.61
  Top Layer w10: U5.3@7319.3,6071.61 U5.3@7344.02,6071.61
  Bottom Layer w6: v2(7223,6198) 7226.57,6194.43 7317.43,6194.43 U6.3@7319.3,6192.57
OUT1B: U5.5 U6.4 | length 167.9
  Top Layer w6: v2(7246.58,6164) 7250.41,6160.17 7250.41,6153.1 7267.13,6136.39 7282.09,6136.39 7295.68,6122.8 U5.5@7319.3,6122.8
  Bottom Layer w6: v2(7246.58,6164) 7316.32,6164 U6.4@7319.3,6166.98
OUT1Z: U5.11 U6.5 | length 215.5
  Top Layer w6: U5.11@7106.7,6148.39 v2(7168.46,6148.39)
  Bottom Layer w6: v2(7168.46,6148.39) 7201,6148.39 7208,6141.39 U6.5@7319.3,6141.39
OUT2: U4B.4 U17.113 | length 928.9
  Top Layer w6: U17.113@7154.87,3701.17 7192.83,3701.17 7201.54,3709.88 7218.98,3709.88 v1(7222.81,3713.71)
  Int2 (Sign) w6: v1(7222.81,3713.71) 7224.51,3712 7257,3712 7342,3627 7342,3116 v2(7286,3060)
  Bottom Layer w6: v2(7286,3060) 7287.11,3060 7332.95,3014.16 7374.84,3014.16 U4B.4@7376.7,3016.02
OUT2A: U6.6 U7.3 | length 698.9
  Top Layer w6: v2(7404,6089.11) 7407.51,6085.6 7417,6085.6 7417,6061.11 7425,6053.11 7425,5935.51 7428.51,5932 7643.35,5932 7725.13,6013.78 7725.13,6063.72 7718.51,6070.34 7683.58,6070.34 U7.3@7683.3,6070.61
  Bottom Layer w6: U6.6@7319.3,6115.8 7386.2,6115.8 7400.17,6101.83 7400.17,6092.94 v2(7404,6089.11)
OUT2B: U6.7 U7.5 | length 856.2
  Top Layer w6: v2(7403,6044) 7371.8,6012.8 7371.8,5937.2 7444,5865 7593.32,5865 7747,6018.68 7747,6103.4 7728.6,6121.8 U7.5@7683.3,6121.8
  Bottom Layer w6: U6.7@7319.3,6090.2 7371.8,6090.2 7399.17,6062.83 7399.17,6047.83 v2(7403,6044)
OUT2Z: U6.8 U7.11 | length 208.2
  Top Layer w6: v2(7372.28,6058.61) 7378.28,6064.61 7378.28,6094.5 7430.97,6147.19 7470.51,6147.19 U7.11@7470.7,6147.39
  Bottom Layer w6: U6.8@7319.3,6064.61 7360.86,6064.61 7366.86,6058.61 v2(7372.28,6058.61)
OUT3: U4B.5 U17.69 | length 1435.5
  Top Layer w6: U17.69@6314.71,3681.49 6350.63,3681.49 6370.32,3701.17 6384.53,3701.17 6395.7,3690 v2(6409.98,3690)
  Int2 (Sign) w6: v2(6409.98,3690) 6801.51,3690 7015.51,3476 7027.01,3476 7268,3235.01 7268,3088.11 v2(7264.95,3085.07)
  Bottom Layer w6: v2(7264.95,3085.07) 7292.05,3085.07 7335.5,3041.61 U4B.5@7376.7,3041.61
OUT4: U4B.6 U17.96 | length 827.9
  Top Layer w6: U17.96@6843.06,3546.84 6843.06,3511.94 6856.82,3498.18 v2(6856.82,3498)
  Int2 (Sign) w6: v2(6856.82,3498) 6952.88,3498 6986.88,3464 7022.04,3464 7246,3240.04 v2(7246,3111.97)
  Bottom Layer w6: v2(7246,3111.97) 7295.23,3111.97 7340,3067.2 U4B.6@7376.7,3067.2
RMII_CRS_DV: R95.1 U17.43 | length 1297.7
  Top Layer w6: U17.43@6314.71,4193.3 6553.31,4193.3 v2(6573,4212.98)
  Bottom Layer w6: R95.1@6211.46,4046 6238,4046 6241,4046 ccw(c6241,4056.5) 6251.5,4056.5 6251.5,4075.5 cw(c6262,4075.5) 6272.5,4075.5 6272.5,4016.5 ccw(c6283,4016.5) 6293.5,4016.5 6293.5,4075.5 cw(c6304,4075.5) 6314.5,4075.5 6314.5,4016.5 ccw(c6325,4016.5) 6335.5,4016.5 6335.5,4035.5 cw(c6346,4035.5) 6356.5,4035.5 6356.5,4026.39 ccw(c6367,4026.39) 6377.5,4026.39 6377.5,4041.47 cw(c6388,4041.47) 6398.5,4041.47 6398.5,4018.01 ccw(c6409,4018.01) 6419.5,4018.01 6419.5,4069.29 cw(c6430,4069.29) 6440.5,4069.29 6440.5,4035.5 ccw(c6451,4035.5) 6461.5,4035.5 cw(c6472,4035.5) 6472,4046 6511.25,4046 6520,4046 6616.94,4142.94 6616.94,4199.49 6603.44,4212.98 v2(6573,4212.98)
RMII_REF_CLK: R101.1 U17.35 | length 1349.4
  Top Layer w6: U17.35@6409.98,4387 6409.98,4321.94 6455.93,4276 6590,4276 6664.73,4201.27 6664.73,4114.48 6559.64,4009.39 v2(6559.64,3991.96)
  Bottom Layer w6: R101.1@5998,3902.54 5998,3845.51 6042.51,3801 6386.67,3801 6559.64,3973.97 v2(6559.64,3991.96)